# Altium PCB top_LM358.PcbDoc (part 4 of 6)
Units mil, origin at the board's own origin, x right, y up, seen from the top; angles counter-clockwise.
Board outline 10480 x 5830 mil, 2 copper layers (Top Layer, Bottom Layer); 771 components, 701 nets, 1994 pads, 493 vias.
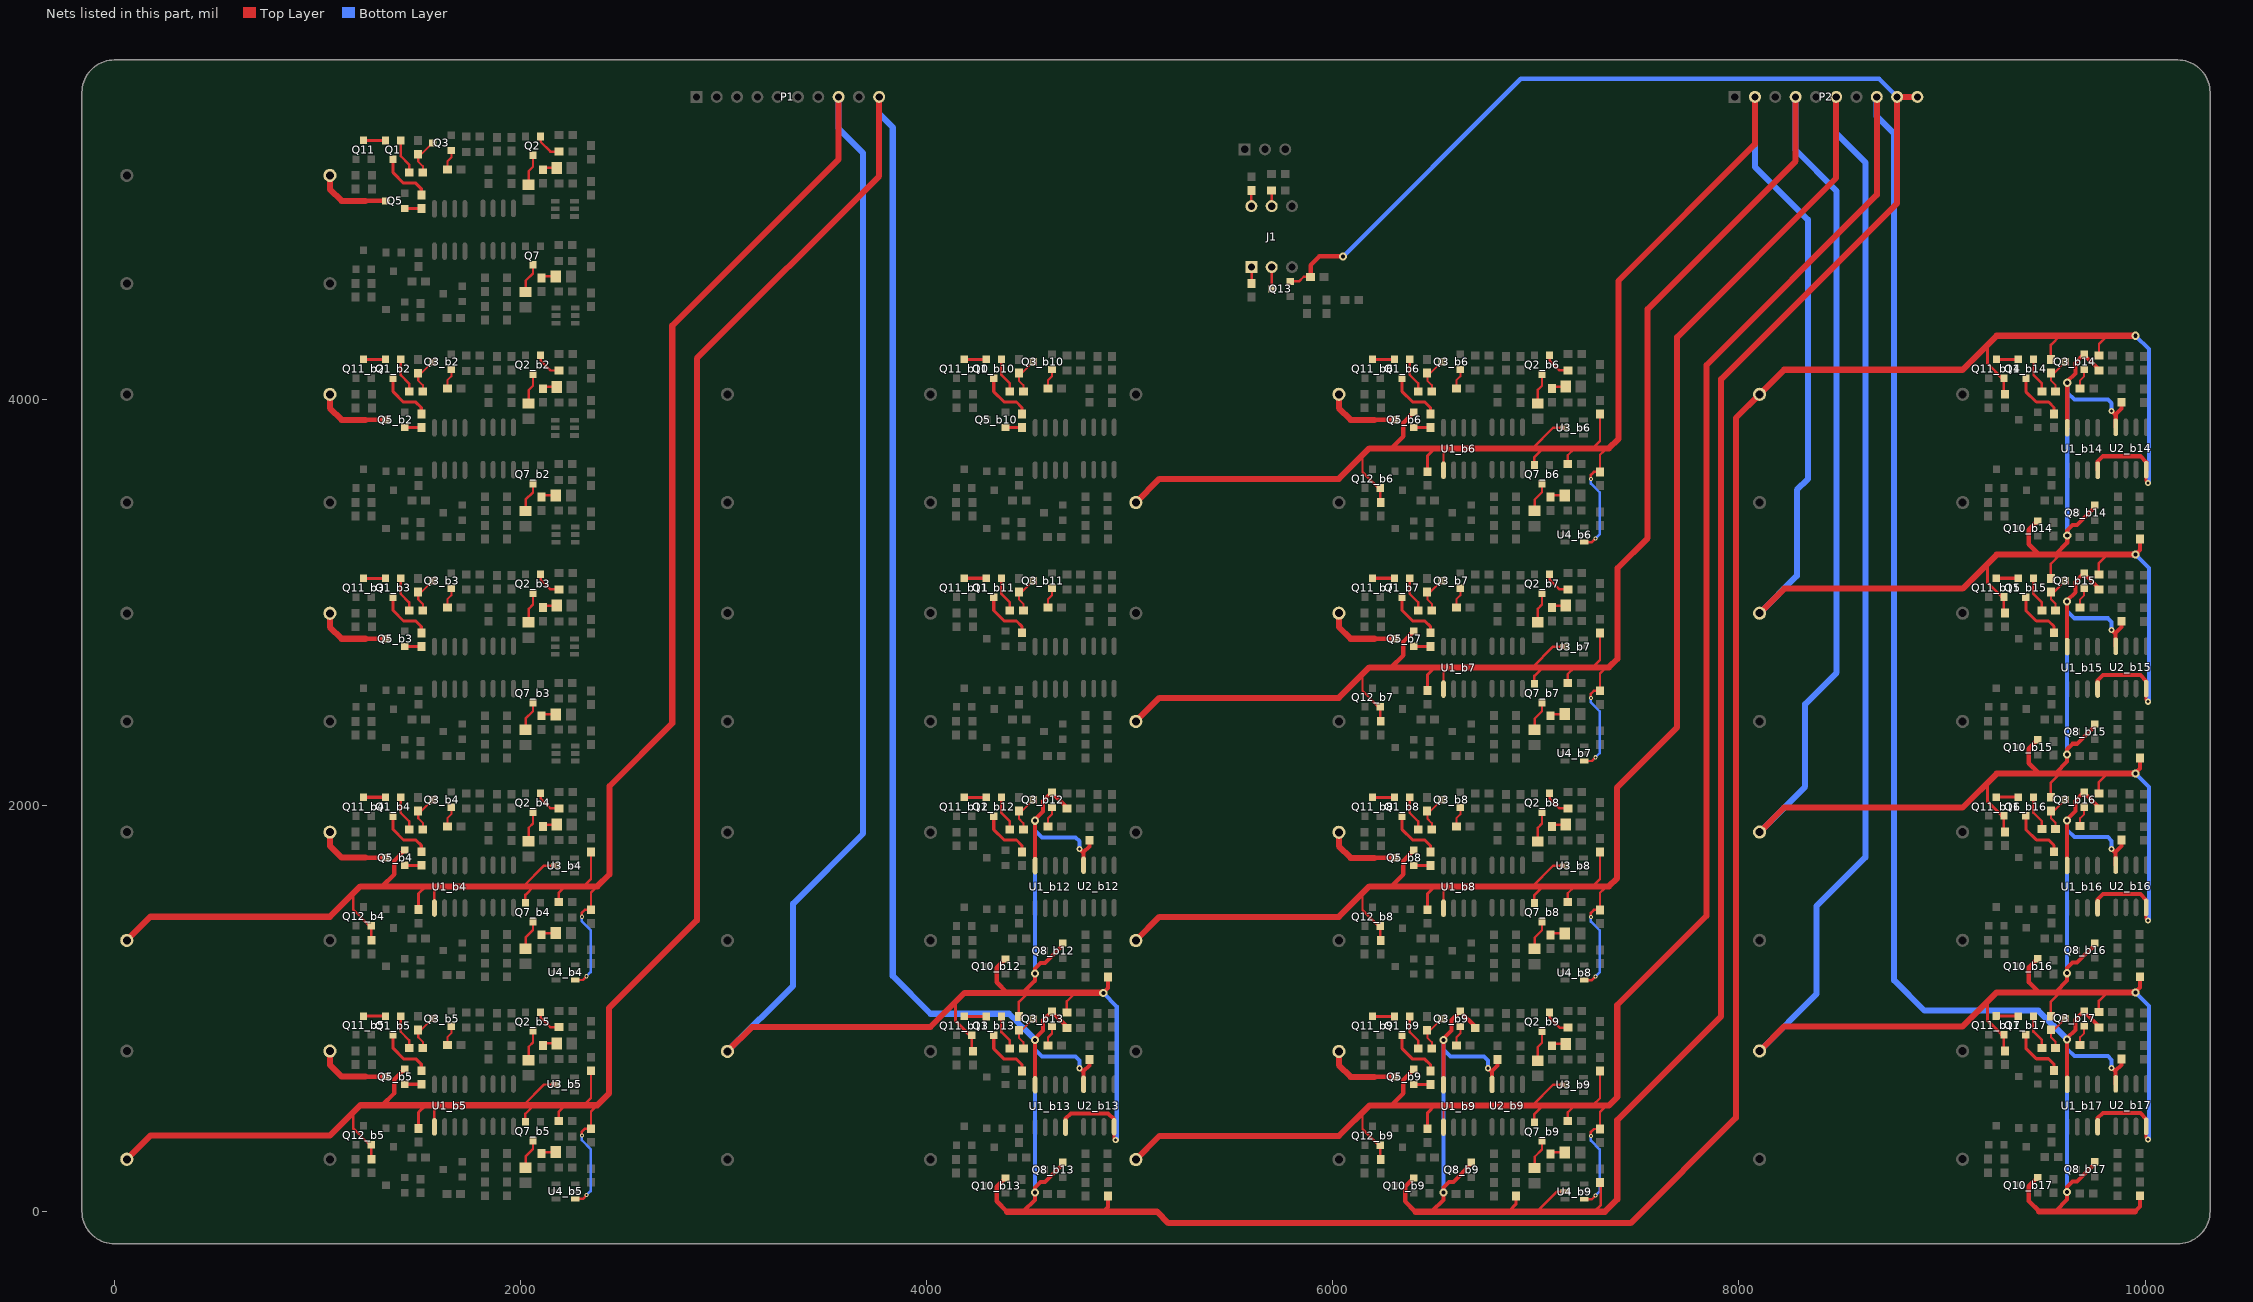
[diagram p4: the nets of this part, all layers, seen from the top]

## Via types
v1: diameter 20, hole 10, Top Layer to Bottom Layer, 402 vias
v2: diameter 40, hole 20, Top Layer to Bottom Layer, 53 vias
v3: diameter 30, hole 15, Top Layer to Bottom Layer, 34 vias
v4: diameter 125.98, hole 125.98, Top Layer to Bottom Layer, 4 vias

## Nets (pads, with @x,y where several pads share a name; then routed paths per layer and width w, separated by ;. In a path a pad name is that pad's centre, name@x,y a point inside that pad or via, vN(x,y) a via of type N, cw(c..) or ccw(c..) an arc to the next point about the centre after c; other vN are vias at no path point) (continued)
IN_A12: P1.8 Q3_b12.2 Q5_b4.2 Q7_b4.2 Q8_b12.2 Q10_b12.2 Q11_b13.2 Q12_b4.2 R1_b13.2 R6_b13.2 R9_b13.2 R12_b12.1 R13_b4.1 R14_b4.2 R19_b4.2 R20_b4.2 R21_b4.2 R40_b13.1 R42_b4.1 R44_b12.2 R48_b12.2 U1_b4.5 U1_b12.4 U1_b13.8 U2_b12.4 U2_b13.8 U3_b4.2 U4_b4.4 | length 20176.8
  Top Layer w12: 1176.82,1565.04 1176.82,1485.26 1256.08,1406 Q12_b4.2@1264.23,1406 1264.23,1337.32 R42_b4.1@1266.82,1334.72 ; U1_b4.5@1575.82,1493.77 1575.82,1578.54 1597.82,1600.54 ; 2010,1600.54 2013.86,1600.54 2116,1702.68 U3_b4.2@2170.76,1702.68 ; Q7_b4.2@2023.6,1518.94 2023.6,1558.44 2065.69,1600.54 ; 2045,1600.54 2049.86,1600.54 ; R20_b4.2@2187.54,1523.68 2187.54,1567.07 2221,1600.54 ; U4_b4.4@2269.24,1139.28 2306.6,1139.28 v1(2325,1157.68) ; v1(2302,1450.68) 2302,1470.68 2316.32,1485 R21_b4.2@2346.69,1485 2346.69,1569.54 2365.76,1588.6 ; 2313,1600.54 2313,1602.68 2346.69,1636.37 R13_b4.1@2346.69,1770.07 ; Q11_b13.2@4222.23,867.32 4222.23,792.64 R40_b13.1@4226.82,788.05 ; R6_b13.2@4453.69,958.79 4453.69,1031.11 4498.44,1075.86 ; R9_b13.2@4690.36,978.58 4690.36,1034.39 4731.82,1075.86
  Top Layer w15: R19_b4.2@1497.69,1486 1497.69,1565.54 1532.69,1600.54 1536.69,1600.54 ; 4140.82,1025.11 4140.82,939.14 Q11_b13.2@4212.64,867.32 ; U2_b13.8@4922.82,416.37 4922.82,359.58 v3(4930.82,351.58)
  Top Layer w20: Q11_b13.2@4212.64,867.32 Q11_b13.2@4222.23,867.32 ; 4477.69,1079.39 4533.82,1135.53 v2(4533.82,1171.58) 4533.82,1196.58 4560.82,1223.58 4582.27,1223.58 4670.08,1311.4 Q8_b12.2@4670.08,1320.98 ; 4497.69,1075.86 4498.62,1076.79 ; U1_b12.4@4533.82,1702.07 v2(4533.82,1923.58) 4533.82,1929.58 4573.82,1969.58 4573.82,2020.72 Q3_b12.2@4617.08,2063.98 4617.08,2061.23 4690.36,1987.96 R12_b12.1@4690.36,1982.58 ; U1_b13.8@4683.82,414.09 4683.82,456.58 4709.82,482.58 4893.82,482.58 4922.82,453.58 U2_b13.8@4922.82,416.37 ; v3(4752.82,1783.58) 4766.82,1769.58 4772.82,1769.58 ; U2_b12.4@4772.82,1704.34 4772.82,1769.58 ; R48_b12.2@4800.82,1827.12 4800.82,1797.58 4772.82,1769.58 ; v2@4867.82,1076.79 4891.82,1100.79 R44_b12.2@4891.82,1154.12
  Top Layer w22: 1318.69,1600.54 1378.69,1660.54 1378.69,1727.68 Q5_b4.2@1429.95,1778.94 ; Q10_b12.2@4387.95,1243.26 4344.69,1200 4344.69,1127.86 4395.76,1076.79
  Top Layer w30: R14_b4.2@60.82,1334.26 177.1,1450.54 1060.82,1450.54 1210.82,1600.54 1318.69,1600.54 1532.69,1600.54 ; 1536.69,1600.54 1597.82,1600.54 2010,1600.54 ; 2013.86,1600.54 2045,1600.54 ; 2049.86,1600.54 2065.69,1600.54 2221,1600.54 2313,1600.54 2378.37,1600.54 2437.82,1659.99 2437.82,2094.32 2747,2403.5 2747,4361.97 3565.82,5180.79 P1.8@3565.82,5488.32 ; R1_b13.2@3018.82,787.58 3139.85,908.61 4018.82,908.61 4186.08,1075.86 4497.69,1075.86 4498.44,1075.86 4731.82,1075.86 v2(4869.69,1075.86) ; 4395.76,1076.79 4498.62,1076.79 v2@4867.82,1076.79
  Bottom Layer w12: v1(2302,1450.68) 2302,1427.68 2345,1384.68 2345,1177.68 v1(2325,1157.68)
  Bottom Layer w20: v2(4533.82,1171.58) 4533.82,1876.58 ; v2(4533.82,1923.58) 4533.82,1876.58 ; v3(4752.82,1783.58) 4752.82,1822.58 4733.82,1841.58 4568.82,1841.58 4533.82,1876.58 ; v2(4869.69,1075.86) 4935.82,1009.72 4935.82,356.58 v3(4930.82,351.58)
  Bottom Layer w30: R1_b13.2@3018.82,787.58 3341.82,1110.58 3341.82,1515.32 3687.11,1860.61 3687.11,5210.61 3565.82,5331.9 P1.8@3565.82,5488.32
IN_A13: P1.10 Q3_b13.2 Q5_b5.2 Q7_b5.2 Q8_b13.2 Q10_b13.2 Q11_b14.2 Q12_b5.2 R1_b14.2 R6_b14.2 R9_b14.2 R12_b13.1 R13_b5.1 R14_b5.2 R19_b5.2 R20_b5.2 R21_b5.2 R40_b14.1 R42_b5.1 R44_b13.2 R48_b13.2 U1_b5.5 U1_b13.4 U1_b14.8 U2_b13.4 U2_b14.8 U3_b5.2 U4_b5.4 | length 28463.8
  Top Layer w12: 1176.82,487.04 1176.82,407.26 1256.08,328 Q12_b5.2@1264.23,328 1264.23,259.32 R42_b5.1@1266.82,256.72 ; U1_b5.5@1575.82,415.77 1575.82,500.54 1597.82,522.54 ; 2010,522.54 2013.86,522.54 2116,624.68 U3_b5.2@2170.76,624.68 ; Q7_b5.2@2023.6,440.94 2023.6,480.44 2065.69,522.54 ; 2045,522.54 2049.86,522.54 ; R20_b5.2@2187.54,445.68 2187.54,489.07 2221,522.54 ; U4_b5.4@2269.24,61.28 2306.6,61.28 v1(2325,79.68) ; v1(2302,372.68) 2302,392.68 2316.32,407 R21_b5.2@2346.69,407 2346.69,491.54 2365.76,510.6 ; 2313,522.54 2313,524.68 2346.69,558.37 R13_b5.1@2346.69,692.07 ; Q11_b14.2@9305.23,4103.32 9305.23,4028.64 R40_b14.1@9309.82,4024.05 ; R6_b14.2@9536.69,4194.79 9536.69,4267.11 9581.44,4311.86 ; R9_b14.2@9773.36,4214.58 9773.36,4270.39 9814.82,4311.86
  Top Layer w15: R19_b5.2@1497.69,408 1497.69,487.54 1532.69,522.54 1536.69,522.54 ; 9223.82,4261.11 9223.82,4175.14 Q11_b14.2@9295.64,4103.32 ; U2_b14.8@10005.82,3652.37 10005.82,3595.58 v3(10013.82,3587.58)
  Top Layer w20: 4477.69,0.39 4533.82,56.53 v2(4533.82,92.58) 4533.82,117.58 4560.82,144.58 4582.27,144.58 4670.08,232.4 Q8_b13.2@4670.08,241.98 ; 4497.69,-3.14 4498.62,-2.21 ; U1_b13.4@4533.82,623.07 v2(4533.82,844.58) 4533.82,850.58 4573.82,890.58 4573.82,941.72 Q3_b13.2@4617.08,984.98 4617.08,982.23 4690.36,908.96 R12_b13.1@4690.36,903.58 ; v3(4752.82,704.58) 4766.82,690.58 4772.82,690.58 ; U2_b13.4@4772.82,625.34 4772.82,690.58 ; R48_b13.2@4800.82,748.12 4800.82,718.58 4772.82,690.58 ; 4867.82,-2.21 4891.82,21.79 R44_b13.2@4891.82,75.12 ; Q11_b14.2@9295.64,4103.32 Q11_b14.2@9305.23,4103.32 ; U1_b14.8@9766.82,3650.09 9766.82,3692.58 9792.82,3718.58 9976.82,3718.58 10005.82,3689.58 U2_b14.8@10005.82,3652.37
  Top Layer w22: 1318.69,522.54 1378.69,582.54 1378.69,649.68 Q5_b5.2@1429.95,700.94 ; Q10_b13.2@4387.95,164.26 4344.69,121 4344.69,48.86 4395.76,-2.21
  Top Layer w30: R14_b5.2@60.82,256.26 177.1,372.54 1060.82,372.54 1210.82,522.54 1318.69,522.54 1532.69,522.54 ; 1536.69,522.54 1597.82,522.54 2010,522.54 ; 2013.86,522.54 2045,522.54 ; 2049.86,522.54 2065.69,522.54 2221,522.54 2313,522.54 2377.37,522.54 2434.82,579.99 2434.82,1000.32 2868,1433.5 2868,4200.13 3765.82,5097.95 P1.10@3765.82,5488.32 ; 4395.76,-2.21 4498.62,-2.21 4867.82,-2.21 5134.36,-2.21 5189.82,-57.68 7466.82,-57.68 7985,460.5 7985,3906.76 R1_b14.2@8101.82,4023.58 8222.85,4144.61 9101.82,4144.61 9269.08,4311.86 9581.44,4311.86 9814.82,4311.86 v2(9952.69,4311.86)
  Bottom Layer w12: v1(2302,372.68) 2302,349.68 2345,306.68 2345,99.68 v1(2325,79.68)
  Bottom Layer w20: v2(4533.82,92.58) 4533.82,797.58 ; v2(4533.82,844.58) 4533.82,797.58 ; v3(4752.82,704.58) 4752.82,743.58 4733.82,762.58 4568.82,762.58 4533.82,797.58 ; v2(9952.69,4311.86) 10018.82,4245.72 10018.82,3592.58 v3(10013.82,3587.58)
  Bottom Layer w30: P1.10@3765.82,5488.32 3765.82,5405.32 3832.82,5338.32 3832.82,1159 4018.82,973 4405.4,973 v2(4533.82,844.58)
IN_A14: P2.2 Q3_b14.2 Q5_b6.2 Q7_b6.2 Q8_b14.2 Q10_b14.2 Q11_b15.2 Q12_b6.2 R1_b15.2 R6_b15.2 R9_b15.2 R12_b14.1 R13_b6.1 R14_b6.2 R19_b6.2 R20_b6.2 R21_b6.2 R40_b15.1 R42_b6.1 R44_b14.2 R48_b14.2 U1_b6.5 U1_b14.4 U1_b15.8 U2_b14.4 U2_b15.8 U3_b6.2 U4_b6.4 | length 15559.8
  Top Layer w12: 6146.08,3721.36 6146.08,3641.58 6225.34,3562.32 Q12_b6.2@6233.48,3562.32 6233.48,3493.64 R42_b6.1@6236.08,3491.05 ; U1_b6.5@6545.08,3650.09 6545.08,3734.86 6567.08,3756.86 ; 6979.25,3756.86 6983.11,3756.86 7085.25,3859 U3_b6.2@7140.01,3859 ; Q7_b6.2@6992.85,3675.26 6992.85,3714.76 7034.94,3756.86 ; 7014.25,3756.86 7019.11,3756.86 ; R20_b6.2@7156.79,3680 7156.79,3723.39 7190.25,3756.86 ; U4_b6.4@7238.5,3295.6 7275.85,3295.6 v1(7294.25,3314) ; v1(7271.25,3607) 7271.25,3627 7285.57,3641.32 R21_b6.2@7315.94,3641.32 7315.94,3725.86 7335.01,3744.92 ; 7282.25,3756.86 7282.25,3759 7315.94,3792.69 R13_b6.1@7315.94,3926.39 ; Q11_b15.2@9304.97,3025.32 9304.97,2950.64 R40_b15.1@9309.57,2946.05 ; R6_b15.2@9536.44,3116.79 9536.44,3189.11 9581.12,3233.79 9581.19,3233.86 ; R9_b15.2@9773.11,3136.58 9773.11,3192.39 9814.5,3233.79 9814.57,3233.86
  Top Layer w15: R19_b6.2@6466.94,3642.32 6466.94,3721.86 6501.94,3756.86 6505.94,3756.86 ; 9223.57,3183.11 9223.57,3097.14 Q11_b15.2@9295.39,3025.32 ; U2_b15.8@10005.57,2574.37 10005.57,2517.58 v3(10013.57,2509.58)
  Top Layer w20: Q11_b15.2@9295.39,3025.32 Q11_b15.2@9304.97,3025.32 ; 9560.69,3236.39 9616.82,3292.53 v2(9616.82,3328.58) 9616.82,3353.58 9643.82,3380.58 9665.27,3380.58 9753.08,3468.4 Q8_b14.2@9753.08,3477.98 ; 9580.69,3232.86 9581.62,3233.79 ; U1_b14.4@9616.82,3859.07 v2(9616.82,4080.58) 9616.82,4086.58 9656.82,4126.58 9656.82,4177.72 Q3_b14.2@9700.08,4220.98 9700.08,4218.23 9773.36,4144.96 R12_b14.1@9773.36,4139.58 ; U1_b15.8@9766.57,2572.09 9766.57,2614.58 9792.57,2640.58 9976.57,2640.58 10005.57,2611.58 U2_b15.8@10005.57,2574.37 ; v3(9835.82,3940.58) 9849.82,3926.58 9855.82,3926.58 ; U2_b14.4@9855.82,3861.34 9855.82,3926.58 ; R48_b14.2@9883.82,3984.12 9883.82,3954.58 9855.82,3926.58 ; v2@9950.82,3233.79 9950.89,3233.86 9974.82,3257.79 R44_b14.2@9974.82,3311.12
  Top Layer w22: 6287.94,3756.86 6347.94,3816.86 6347.94,3884 Q5_b6.2@6399.2,3935.26 ; Q10_b14.2@9470.95,3400.26 9427.69,3357 9427.69,3284.86 9478.69,3233.86 9478.76,3233.79
  Top Layer w30: R14_b6.2@5030.08,3490.58 5146.35,3606.86 6030.08,3606.86 6180.08,3756.86 6287.94,3756.86 6501.94,3756.86 ; 6505.94,3756.86 6567.08,3756.86 6979.25,3756.86 ; 6983.11,3756.86 7014.25,3756.86 ; 7019.11,3756.86 7034.94,3756.86 7190.25,3756.86 7282.25,3756.86 7359.61,3756.86 7406,3803.25 7406,4581.58 8079,5254.58 P2.2@8079,5488 ; R1_b15.2@8101.57,2945.58 8222.6,3066.61 9101.57,3066.61 9268.82,3233.86 9478.69,3233.86 9581.19,3233.86 9814.57,3233.86 9950.89,3233.86 v2(9952.44,3233.86) ; 9478.76,3233.79 9581.12,3233.79 9581.62,3233.79 9814.5,3233.79 v2@9950.82,3233.79
  Bottom Layer w12: v1(7271.25,3607) 7271.25,3584 7314.25,3541 7314.25,3334 v1(7294.25,3314)
  Bottom Layer w20: v2(9616.82,3328.58) 9616.82,4033.58 ; v2(9616.82,4080.58) 9616.82,4033.58 ; v3(9835.82,3940.58) 9835.82,3979.58 9816.82,3998.58 9651.82,3998.58 9616.82,4033.58 ; v2(9952.44,3233.86) 10018.57,3167.72 10018.57,2514.58 v3(10013.57,2509.58)
  Bottom Layer w30: P2.2@8078.82,5488.32 8078.82,5143.79 8339.56,4883.06 8339.56,3606.32 8285.82,3552.59 8285.82,3129.83 R1_b15.2@8101.57,2945.58
IN_A15: P2.4 Q3_b15.2 Q5_b7.2 Q7_b7.2 Q8_b15.2 Q10_b15.2 Q11_b16.2 Q12_b7.2 R1_b16.2 R6_b16.2 R9_b16.2 R12_b15.1 R13_b7.1 R14_b7.2 R19_b7.2 R20_b7.2 R21_b7.2 R40_b16.1 R42_b7.1 R44_b15.2 R48_b15.2 U1_b7.5 U1_b15.4 U1_b16.8 U2_b15.4 U2_b16.8 U3_b7.2 U4_b7.4 | length 17832.9
  Top Layer w12: 6146.08,2643.36 6146.08,2563.58 6225.34,2484.32 Q12_b7.2@6233.48,2484.32 6233.48,2415.64 R42_b7.1@6236.08,2413.05 ; U1_b7.5@6545.08,2572.09 6545.08,2656.86 6567.08,2678.86 ; 6979.25,2678.86 6983.11,2678.86 7085.25,2781 U3_b7.2@7140.01,2781 ; Q7_b7.2@6992.85,2597.26 6992.85,2636.76 7034.94,2678.86 ; 7014.25,2678.86 7019.11,2678.86 ; R20_b7.2@7156.79,2602 7156.79,2645.39 7190.25,2678.86 ; U4_b7.4@7238.5,2217.6 7275.85,2217.6 v1(7294.25,2236) ; v1(7271.25,2529) 7271.25,2549 7285.57,2563.32 R21_b7.2@7315.94,2563.32 7315.94,2647.86 7335.01,2666.92 ; 7282.25,2678.86 7282.25,2681 7315.94,2714.69 R13_b7.1@7315.94,2848.39 ; Q11_b16.2@9304.97,1947.32 9304.97,1872.64 R40_b16.1@9309.57,1868.05 ; R6_b16.2@9536.44,2038.79 9536.44,2111.11 9581.12,2155.79 9581.19,2155.86 ; R9_b16.2@9773.11,2058.58 9773.11,2114.39 9814.5,2155.79 9814.57,2155.86
  Top Layer w15: R19_b7.2@6466.94,2564.32 6466.94,2643.86 6501.94,2678.86 6505.94,2678.86 ; 9223.57,2105.11 9223.57,2019.14 Q11_b16.2@9295.39,1947.32 ; U2_b16.8@10005.57,1496.37 10005.57,1439.58 v3(10013.57,1431.58)
  Top Layer w20: Q11_b16.2@9295.39,1947.32 Q11_b16.2@9304.97,1947.32 ; 9560.44,2158.39 9616.57,2214.53 v2(9616.57,2250.58) 9616.57,2275.58 9643.57,2302.58 9665.01,2302.58 9752.83,2390.4 Q8_b15.2@9752.83,2399.98 ; 9580.44,2154.86 9581.37,2155.79 ; U1_b15.4@9616.57,2781.07 v2(9616.57,3002.58) 9616.57,3008.58 9656.57,3048.58 9656.57,3099.72 Q3_b15.2@9699.83,3142.98 9699.83,3140.23 9773.11,3066.96 R12_b15.1@9773.11,3061.58 ; U1_b16.8@9766.57,1494.09 9766.57,1536.58 9792.57,1562.58 9976.57,1562.58 10005.57,1533.58 U2_b16.8@10005.57,1496.37 ; v3(9835.57,2862.58) 9849.57,2848.58 9855.57,2848.58 ; U2_b15.4@9855.57,2783.34 9855.57,2848.58 ; R48_b15.2@9883.57,2906.12 9883.57,2876.58 9855.57,2848.58 ; v2@9950.57,2155.79 9950.64,2155.86 9974.57,2179.79 R44_b15.2@9974.57,2233.12
  Top Layer w22: 6287.94,2678.86 6347.94,2738.86 6347.94,2806 Q5_b7.2@6399.2,2857.26 ; Q10_b15.2@9470.7,2322.26 9427.44,2279 9427.44,2206.86 9478.44,2155.86 9478.51,2155.79
  Top Layer w30: R14_b7.2@5030.08,2412.58 5146.35,2528.86 6030.08,2528.86 6180.08,2678.86 6287.94,2678.86 6501.94,2678.86 ; 6505.94,2678.86 6567.08,2678.86 6979.25,2678.86 ; 6983.11,2678.86 7014.25,2678.86 ; 7019.11,2678.86 7034.94,2678.86 7190.25,2678.86 7282.25,2678.86 7359.61,2678.86 7402,2721.25 7402,3167 7550.75,3315.75 7550.75,4443.49 8279,5171.74 P2.4@8279,5488 ; R1_b16.2@8101.57,1867.58 8222.6,1988.61 9101.57,1988.61 9268.82,2155.86 9478.44,2155.86 9581.19,2155.86 9814.57,2155.86 9950.64,2155.86 v2(9952.44,2155.86) ; 9478.51,2155.79 9581.12,2155.79 9581.37,2155.79 9814.5,2155.79 v2@9950.57,2155.79
  Bottom Layer w12: v1(7271.25,2529) 7271.25,2506 7314.25,2463 7314.25,2256 v1(7294.25,2236)
  Bottom Layer w20: v2(9616.57,2250.58) 9616.57,2955.58 ; v2(9616.57,3002.58) 9616.57,2955.58 ; v3(9835.57,2862.58) 9835.57,2901.58 9816.57,2920.58 9651.57,2920.58 9616.57,2955.58 ; v2(9952.44,2155.86) 10018.57,2089.72 10018.57,1436.58 v3(10013.57,1431.58)
  Bottom Layer w30: R1_b16.2@8101.57,1867.58 8325.82,2091.83 8325.82,2498.16 8480.98,2653.32 8480.98,5024.48 8278.82,5226.64 P2.4@8278.82,5488.32
IN_A16: P2.6 Q3_b16.2 Q5_b8.2 Q7_b8.2 Q8_b16.2 Q10_b16.2 Q11_b17.2 Q12_b8.2 R1_b17.2 R6_b17.2 R9_b17.2 R12_b16.1 R13_b8.1 R14_b8.2 R19_b8.2 R20_b8.2 R21_b8.2 R40_b17.1 R42_b8.1 R44_b16.2 R48_b16.2 U1_b8.5 U1_b16.4 U1_b17.8 U2_b16.4 U2_b17.8 U3_b8.2 U4_b8.4 | length 20107.1
  Top Layer w12: 6146.08,1564.36 6146.08,1484.58 6225.34,1405.32 Q12_b8.2@6233.48,1405.32 6233.48,1336.64 R42_b8.1@6236.08,1334.05 ; U1_b8.5@6545.08,1493.09 6545.08,1577.86 6567.08,1599.86 ; 6979.25,1599.86 6983.11,1599.86 7085.25,1702 U3_b8.2@7140.01,1702 ; Q7_b8.2@6992.85,1518.26 6992.85,1557.76 7034.94,1599.86 ; 7014.25,1599.86 7019.11,1599.86 ; R20_b8.2@7156.79,1523 7156.79,1566.39 7190.25,1599.86 ; U4_b8.4@7238.5,1138.6 7275.85,1138.6 v1(7294.25,1157) ; v1(7271.25,1450) 7271.25,1470 7285.57,1484.32 R21_b8.2@7315.94,1484.32 7315.94,1568.86 7335.01,1587.92 ; 7282.25,1599.86 7282.25,1602 7315.94,1635.69 R13_b8.1@7315.94,1769.39 ; Q11_b17.2@9304.97,869.32 9304.97,794.64 R40_b17.1@9309.57,790.05 ; R6_b17.2@9536.44,960.79 9536.44,1033.11 9581.12,1077.79 9581.19,1077.86 ; R9_b17.2@9773.11,980.58 9773.11,1036.39 9814.5,1077.79 9814.57,1077.86
  Top Layer w15: R19_b8.2@6466.94,1485.32 6466.94,1564.86 6501.94,1599.86 6505.94,1599.86 ; 9223.57,1027.11 9223.57,941.14 Q11_b17.2@9295.39,869.32 ; U2_b17.8@10005.57,418.37 10005.57,361.58 v3(10013.57,353.58)
  Top Layer w20: Q11_b17.2@9295.39,869.32 Q11_b17.2@9304.97,869.32 ; 9560.44,1080.39 9616.57,1136.53 v2(9616.57,1172.58) 9616.57,1197.58 9643.57,1224.58 9665.01,1224.58 9752.83,1312.4 Q8_b16.2@9752.83,1321.98 ; 9580.44,1076.86 9581.37,1077.79 ; U1_b16.4@9616.57,1703.07 v2(9616.57,1924.58) 9616.57,1930.58 9656.57,1970.58 9656.57,2021.72 Q3_b16.2@9699.83,2064.98 9699.83,2062.23 9773.11,1988.96 R12_b16.1@9773.11,1983.58 ; U1_b17.8@9766.57,416.09 9766.57,458.58 9792.57,484.58 9976.57,484.58 10005.57,455.58 U2_b17.8@10005.57,418.37 ; v3(9835.57,1784.58) 9849.57,1770.58 9855.57,1770.58 ; U2_b16.4@9855.57,1705.34 9855.57,1770.58 ; R48_b16.2@9883.57,1828.12 9883.57,1798.58 9855.57,1770.58 ; v2@9950.57,1077.79 9950.64,1077.86 9974.57,1101.79 R44_b16.2@9974.57,1155.12
  Top Layer w22: 6287.94,1599.86 6347.94,1659.86 6347.94,1727 Q5_b8.2@6399.2,1778.26 ; Q10_b16.2@9470.7,1244.26 9427.44,1201 9427.44,1128.86 9478.44,1077.86 9478.51,1077.79
  Top Layer w30: R14_b8.2@5030.08,1333.58 5146.35,1449.86 6030.08,1449.86 6180.08,1599.86 6287.94,1599.86 6501.94,1599.86 ; 6505.94,1599.86 6567.08,1599.86 6979.25,1599.86 ; 6983.11,1599.86 7014.25,1599.86 ; 7019.11,1599.86 7034.94,1599.86 7190.25,1599.86 7282.25,1599.86 7359.61,1599.86 7400,1640.25 7400,2088 7695.5,2383.5 7695.5,4305.39 8479,5088.89 P2.6@8479,5488 ; R1_b17.2@8101.57,789.58 8222.6,910.61 9101.57,910.61 9268.82,1077.86 9478.44,1077.86 9581.19,1077.86 9814.57,1077.86 9950.64,1077.86 v2(9952.44,1077.86) ; 9478.51,1077.79 9581.12,1077.79 9581.37,1077.79 9814.5,1077.79 v2@9950.57,1077.79
  Bottom Layer w12: v1(7271.25,1450) 7271.25,1427 7314.25,1384 7314.25,1177 v1(7294.25,1157)
  Bottom Layer w20: v2(9616.57,1172.58) 9616.57,1877.58 ; v2(9616.57,1924.58) 9616.57,1877.58 ; v3(9835.57,1784.58) 9835.57,1823.58 9816.57,1842.58 9651.57,1842.58 9616.57,1877.58 ; v2(9952.44,1077.86) 10018.57,1011.72 10018.57,358.58 v3(10013.57,353.58)
  Bottom Layer w30: R1_b17.2@8101.57,789.58 8381.82,1069.83 8381.82,1502.32 8622.4,1742.9 8622.4,5165.9 8478.82,5309.48 P2.6@8478.82,5488.32
IN_B8: P2.8 Q3_b17.2 Q5_b9.2 Q7_b9.2 Q8_b17.2 Q10_b17.2 Q12_b9.2 R12_b17.1 R13_b9.1 R14_b9.2 R19_b9.2 R20_b9.2 R21_b9.2 R42_b9.1 R44_b17.2 R48_b17.2 U1_b9.5 U1_b17.4 U2_b17.4 U3_b9.2 U4_b9.4 | length 17992
  Top Layer w12: 6146.08,485.36 6146.08,405.58 6225.34,326.32 Q12_b9.2@6233.48,326.32 6233.48,257.64 R42_b9.1@6236.08,255.05 ; U1_b9.5@6545.08,414.09 6545.08,498.86 6567.08,520.86 ; 6979.25,520.86 6983.11,520.86 7085.25,623 U3_b9.2@7140.01,623 ; Q7_b9.2@6992.85,439.26 6992.85,478.76 7034.94,520.86 ; 7014.25,520.86 7019.11,520.86 ; R20_b9.2@7156.79,444 7156.79,487.39 7190.25,520.86 ; U4_b9.4@7238.5,59.6 7275.85,59.6 v1(7294.25,78) ; v1(7271.25,371) 7271.25,391 7285.57,405.32 R21_b9.2@7315.94,405.32 7315.94,489.86 7335.01,508.92 ; 7282.25,520.86 7282.25,523 7315.94,556.69 R13_b9.1@7315.94,690.39
  Top Layer w15: R19_b9.2@6466.94,406.32 6466.94,485.86 6501.94,520.86 6505.94,520.86
  Top Layer w20: 9560.44,2.39 9616.57,58.53 v2(9616.57,94.58) 9616.57,119.58 9643.57,146.58 9665.01,146.58 9752.83,234.4 Q8_b17.2@9752.83,243.98 ; 9580.44,-1.14 9581.37,-0.21 ; U1_b17.4@9616.57,625.07 v2(9616.57,846.58) 9616.57,852.58 9656.57,892.58 9656.57,943.72 Q3_b17.2@9699.83,986.98 9699.83,984.23 9773.11,910.96 R12_b17.1@9773.11,905.58 ; v3(9835.57,706.58) 9849.57,692.58 9855.57,692.58 ; U2_b17.4@9855.57,627.34 9855.57,692.58 ; R48_b17.2@9883.57,750.12 9883.57,720.58 9855.57,692.58 ; 9950.57,-0.21 9974.57,23.79 R44_b17.2@9974.57,77.12
  Top Layer w22: 6287.94,520.86 6347.94,580.86 6347.94,648 Q5_b9.2@6399.2,699.26 ; Q10_b17.2@9470.7,166.26 9427.44,123 9427.44,50.86 9478.51,-0.21
  Top Layer w30: R14_b9.2@5030.08,254.58 5146.35,370.86 6030.08,370.86 6180.08,520.86 6287.94,520.86 6501.94,520.86 ; 6505.94,520.86 6567.08,520.86 6979.25,520.86 ; 6983.11,520.86 7014.25,520.86 ; 7019.11,520.86 7034.94,520.86 7190.25,520.86 7282.25,520.86 7359.61,520.86 7401,562.25 7401,1016 7840.25,1455.25 7840.25,4167.3 8679,5006.05 P2.8@8679,5488 ; 9478.51,-0.21 9581.37,-0.21 9950.57,-0.21
  Bottom Layer w12: v1(7271.25,371) 7271.25,348 7314.25,305 7314.25,98 v1(7294.25,78)
  Bottom Layer w20: v2(9616.57,94.58) 9616.57,799.58 ; v2(9616.57,846.58) 9616.57,799.58 ; v3(9835.57,706.58) 9835.57,745.58 9816.57,764.58 9651.57,764.58 9616.57,799.58